# KiCad board MEP-MAXI-85V-1-REV-2-Interface-Board.kicad_pcb (continued)
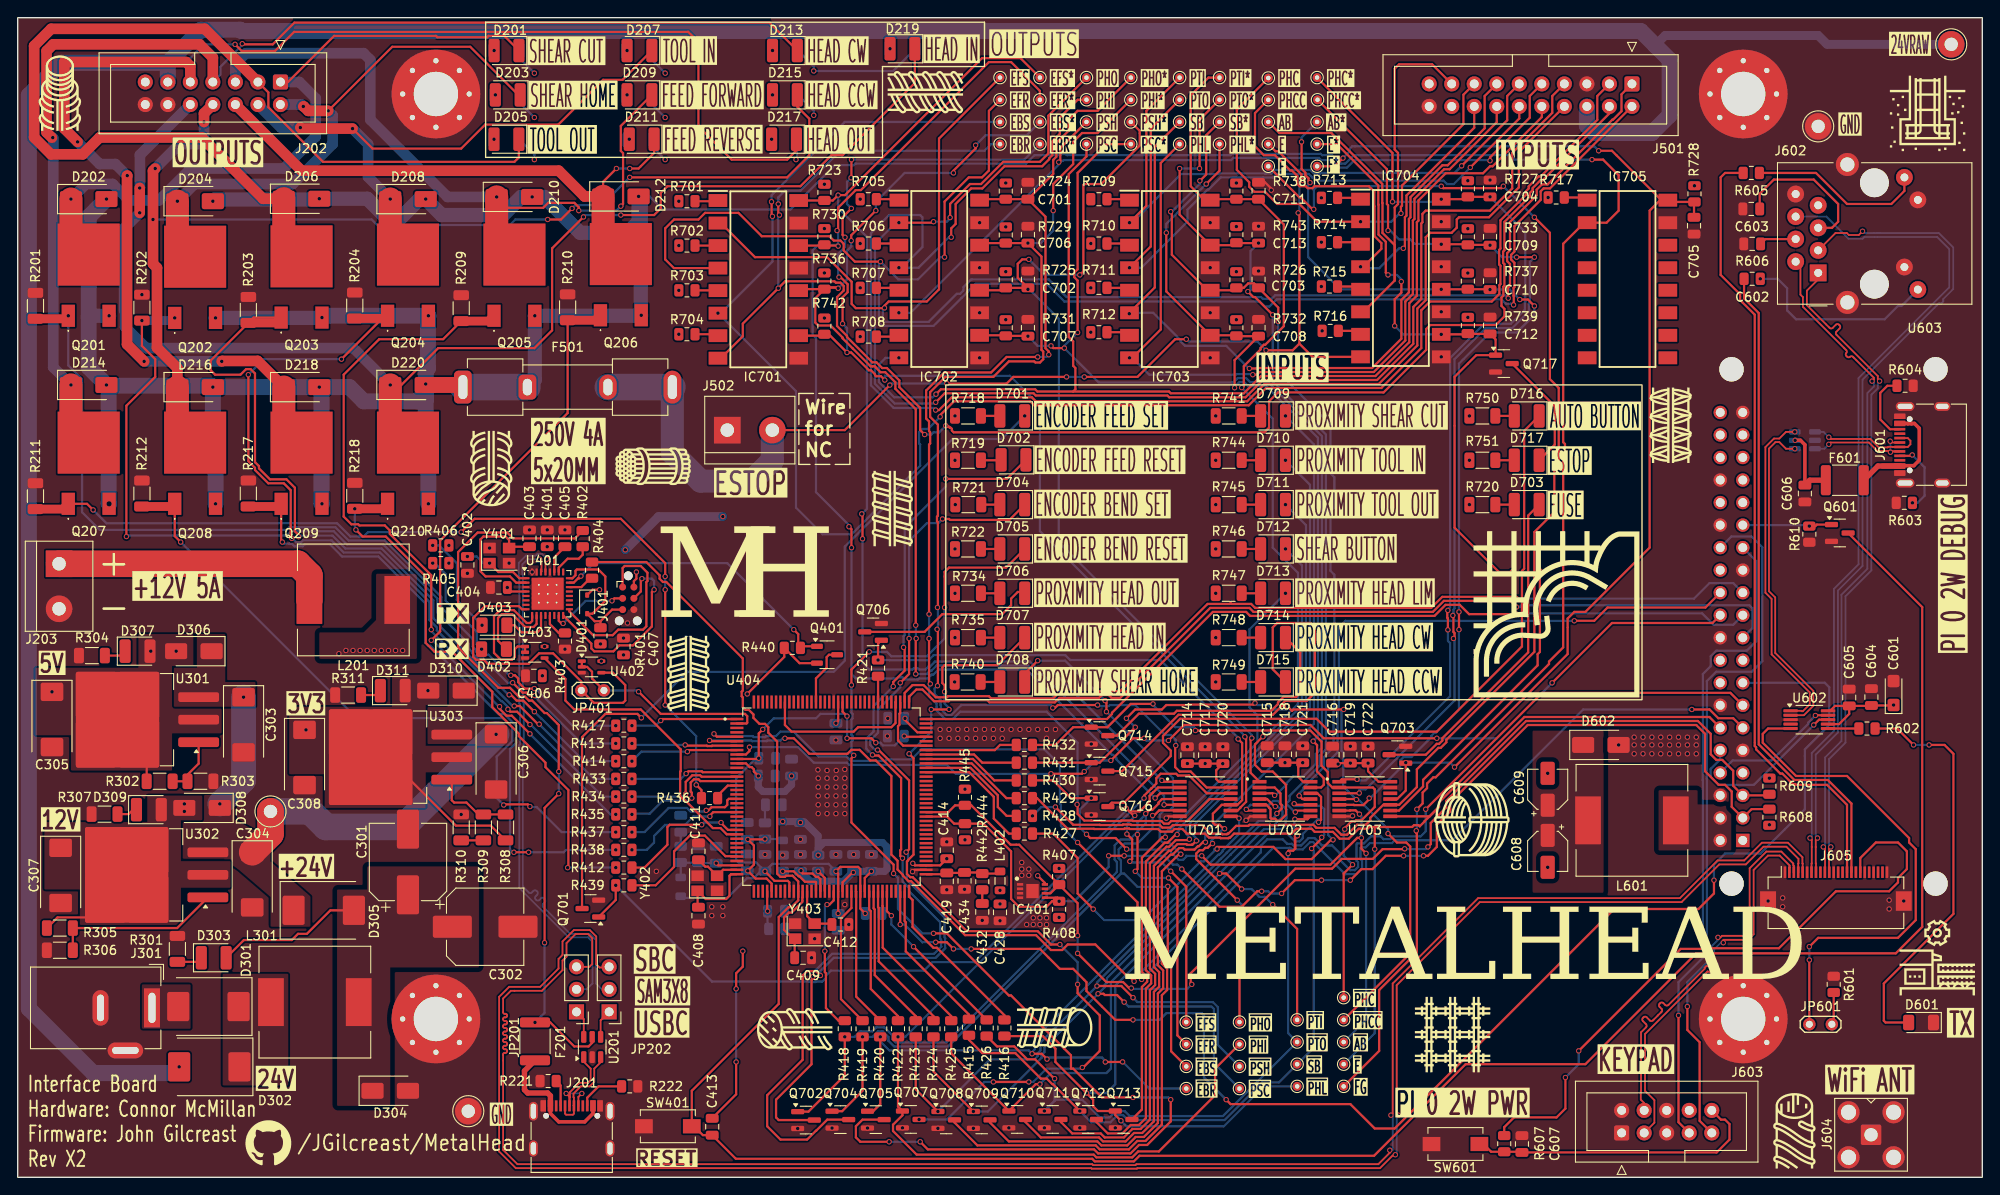
[diagram p0: board, top side]
## Routing (per net, layer and track width the routed paths; a pad name or vN(x,y) marks a point on that pad's centre or on a via; arc(x,y) is an arc through that point) (continued)
  Top w1: R209.2 53.1,96.54 Q205.1
  Bottom w0.25: v1(57.75,51.05) 57.83,51.05 65.96,42.92 v1(67.42,42.92) ; v1(55.27,52.77) 55.27,53.02 54.59,53.7 54.52,53.7 46.62,61.59 v1(46.62,61.75)
/ATMEL SAM3X8/FEED_REVERSE: length 75.5
  Top w0.25: v1(57.75,50) 55.7,52.05 55.1,52.05 54.33,52.83 v1(54.33,53.07) ; R210.2 62,86.17 47.63,71.8 47.63,61.55 v1(46.62,60.55)
  Top w1: R210.2 65.14,96.64 Q206.1
  Bottom w0.25: v1(67.42,40.92) 66.83,40.92 v1(57.75,50) ; v1(54.33,53.07) 54.26,53.07 46.78,60.55 v1(46.62,60.55)
/ATMEL SAM3X8/FWUP: length 2.6
  Top w0.25: U404.53 91,33.75 v1(90.25,34.5)
/ATMEL SAM3X8/HEAD_CCW: length 78.2
  Top w0.25: v1(18.38,71.62) 17.7,72.3 Q208.1 ; v1(57.75,41.8) 57.5,42.05 54.88,42.05 v1(54.8,41.97)
  Top w1: Q208.1 17.4,75.64 R212.2
  Bottom w0.25: v1(18.38,71.62) 38.23,51.77 54.69,51.77 55.76,50.7 55.76,49.19 54,47.43 54,42.78 v1(54.8,41.97) ; v1(57.75,41.8) 57.8,41.75 58.5,41.75 61.33,38.92 v1(67.42,38.92)
/ATMEL SAM3X8/HEAD_CW: length 103.9
  Top w0.25: R436.2 77.09,43.66 v1(76.5,44.25) ; v1(8.5,75.25) 7.81,75.94 Q207.1 ; v1(50,72.75) 51.5,74.25 68,74.25 73,69.25 v1(73,67.75) ; v1(73,53.25) v1(73,66.25)
  Top w1: R211.2 5.1,75.34 Q207.1
  Bottom w0.25: v1(73,53.25) 76.5,49.75 v1(76.5,44.25) ; v1(50,72.75) 39.5,72.75 39,72.25 37.5,72.25 36,73.75 10,73.75 v1(8.5,75.25) ; v1(73,66.25) v1(73,67.75)
/ATMEL SAM3X8/HEAD_IN: length 62.6
  Top w0.25: v1(62,34.91) 62.03,34.91 62.08,34.96 62.08,43.67 59.5,46.25 59.5,46.75 56.5,49.75 56.5,50.02 53.5,53.02 53.5,54.75 49,59.25 47,59.25 46,60.25 46,67.75 41.5,72.25 38.88,72.25 v1(38.13,73)
  Top w1: Q210.1 41.14,75.38 v1(38,75.38)
  Bottom w0.25: v1(38.13,73) 38,73.13 v1(38,75.38) ; v1(67.42,34.92) 62.01,34.92 v1(62,34.91)
/ATMEL SAM3X8/HEAD_OUT: length 72.3
  Top w0.25: Q209.1 29.7,71.76 v1(29.83,71.62) ; v1(57.6,36.65) v1(55.95,36.65)
  Top w1: Q209.1 29.4,75.64 R217.2
  Bottom w0.25: v1(29.83,71.62) 30.01,71.45 30.6,71.45 30.61,71.44 30.61,71.44 30.64,71.41 30.94,71.41 31.21,71.15 32.12,71.15 32.34,71.37 35.2,71.37 36.57,70 40.65,70 45.96,64.69 45.96,60.29 46.32,59.93 46.52,59.93 54.22,52.22 54.88,52.22 56.21,50.89 56.21,49.01 55.5,48.29 55.5,36.95 55.8,36.65 v1(55.95,36.65) ; v1(67.42,36.92) 61.83,36.92 61.56,36.65 v1(57.6,36.65)
/ATMEL SAM3X8/MASTER-RESET: length 283.7
  Top w0.25: Q601.3 214.73,64.3 214.73,28.23 211.75,25.25 189.25,25.25 176.75,12.75 163.25,12.75 152.93,2.43 126.48,2.43 125.84,1.79 121.44,1.79 121.14,2.09 80.96,2.09 C413.2 77.25,4.75 76.25,5.75 SW401.2 76,9.75 85.8,19.55 85.8,29.34 86.91,30.45 87.23,30.45 88,31.22 U404.47 88,33.36 87.36,34 86.64,34 86.51,33.87 85.99,33.87 85.62,34.24 85.62,49.13 84.62,50.12 84.62,50.76 84.26,51.12 83.62,51.12 82.95,51.8 82.95,52.19 82.44,52.7 82.05,52.7 81.75,53 81.75,54.12 81.62,54.24 81.62,54.76 81.75,54.88 81.75,58.5 73.12,67.12 72.74,67.12 72.38,67.49 72.38,67.88 70.88,69.38 64.2,69.38
/ATMEL SAM3X8/MISO: length 99.3
  Top w0.25: v1(168.97,63.5) 163.63,63.5 162.59,64.55 160.99,64.55 159.74,63.3 138.95,63.3 138.5,63.75 134.75,63.75 123.38,52.38 123.38,52.24 122.81,51.67 U404.108
  Bottom w0.25: v1(168.97,63.5) 169.06,63.58 189.92,63.58 191.2,62.3 193.42,62.3 U603.21
/ATMEL SAM3X8/MISO-16U2: length 21.9
  Top w0.25: J401.1 68.2,68.7 68.42,68.92 70.25,68.92 71,68.17 71,67.24 70.87,67.12 70.87,62.12 70.5,61.75 67.7,61.75 67.08,61.12 64.88,61.12 62.2,63.8 U401.17
/ATMEL SAM3X8/MOSI: length 106.4
  Top w0.25: v1(168.97,64.3) 168.28,65 160.8,65 159.55,63.75 139.33,63.75 138.88,64.2 134.45,64.2 124.3,54.05 123.33,54.05 123.01,54.38 122.24,54.38 121.92,54.05 117.44,54.05 116.94,53.55 109.56,53.55 109.31,53.8 105.07,53.8 104.95,53.67 103.33,53.67 102,55 101.31,55 100.5,54.19 U404.109
  Bottom w0.25: v1(168.97,64.3) 169.35,64.3 169.55,64.5 195.25,64.5 195.58,64.17 195.58,61.92 U603.19
/ATMEL SAM3X8/MOSI-16U2: length 22.5
  Top w0.25: U401.16 64.67,60.18 64.67,59.63 65,59.3 67.15,59.3 67.83,59.97 69.36,59.97 71.5,62.11 71.5,66 v1(71.75,66.25) ; J401.4 70.25,66.06 70.25,67.37 v1(70.38,67.5)
  Bottom w0.25: v1(71.75,66.25) 71.75,67.25 71.5,67.5 v1(70.38,67.5)
/ATMEL SAM3X8/RESET-16U2: length 16.1
  Top w0.25: J401.5 67.01,64.01 65.7,62.7 ; 65.7,62.7 65.05,62.7 D401.2 64.8,63.55 66.25,65 66.25,67.75 65.46,68.54 63.04,68.54 62.88,68.38 62.88,67.88 62.55,67.55 U401.24 ; 65.7,62.7 R401.1
/ATMEL SAM3X8/RESET_CMD: length 2.6
  Top w0.25: 64.2,67.55 64.2,67.2 63.55,66.55 U401.22
/ATMEL SAM3X8/RX: length 34.5
  Top w0.25: U403.4 61.75,56.2 61.75,53.75 62.75,52.75 70.25,52.75 74.75,48.25 74.75,45.79 74.69,45.72 74.69,42.96 75.05,42.6 75.15,42.6 78.38,39.37 79.24,39.37 79.94,38.67 U404.27
/ATMEL SAM3X8/RXD1: length 158.9
  Top w0.25: v1(188.75,52.75) 190.75,52.75 191.74,51.76 193.42,51.76 U603.11 ; U404.5 78.83,49.67 v1(78.5,50) ; v1(126.72,22.31) 126.6,22.43 126.55,22.43 126.51,22.47 126.39,22.47 126.25,22.61 126.25,31 v1(119.5,37.75)
  Bottom w0.25: v1(188.75,52.75) 176.5,52.75 161.75,38 155.27,38 154.95,37.67 152.45,37.67 151.97,37.2 151.48,37.2 151.4,37.12 151.4,35.87 151.57,35.7 151.57,34.8 150.95,34.17 149.66,34.17 146.03,37.8 145.73,37.8 144.9,36.98 143.64,36.98 143.47,37.15 141.56,37.15 v1(126.72,22.31) ; v1(78.5,50) 78.75,49.75 82.87,49.75 82.99,49.62 84.26,49.62 84.38,49.75 85.5,49.75 86,50.25 87.5,50.25 90.3,47.45 93.44,47.45 93.94,46.95 97.82,46.95 97.99,47.12 100.76,47.12 101.88,48.25 115.75,48.25 117.5,46.5 117.5,42.13 117.62,42.01 117.62,39.62 v1(119.5,37.75)
/ATMEL SAM3X8/RXD1-16U2: length 37
  Top w0.25: U402.4 67.1,56.9 68.5,55.5 68.5,53.75 68.25,53.5 64.95,53.5 JP401.1 63.55,55.89 60.36,59.08 58.78,59.08 57.6,57.9 52.99,57.9 52.54,58.35 51.68,58.35 51.35,58.68 51.35,63.07 52.68,64.4 56.5,64.4 56.85,64.05 U401.8
/ATMEL SAM3X8/RXD-LED-16U2: length 10.1
  Top w0.25: D402.1 54.15,60.5 54.15,63.07 54.58,63.5 55.75,63.5 57.2,62.05 58.16,62.05 58.5,62.39 U401.10
/ATMEL SAM3X8/SCK-16U2: length 9.1
  Top w0.25: J401.3 67.28,65.28 v1(67,65) ; U401.15 61,62.75 61.3,62.45 v1(61.49,62.45)
  Bottom w0.25: v1(67,65) 64.04,65 v1(61.49,62.45)
/ATMEL SAM3X8/SCL1: length 162.3
  Top w0.25: v1(105.5,25.75) 104.75,26.5 v1(103.5,26.5) ; v1(191.25,33.5) 191.25,32 189.5,30.25 180,30.25 155.25,5.5 153,5.5 150.25,8.25 136.75,8.25 v1(136.25,8.75) ; v1(125.75,17.75) 123.75,17.75 120.5,21 120.5,22 119,23.5 117.5,23.5 115.25,25.75 v1(107.5,25.75) ; U404.70 v1(99.5,28.5)
  Bottom w0.25: U603.15 203.74,55.76 204.25,55.25 204.25,51 201.5,48.25 201.5,41.5 196.5,36.5 192.5,36.5 191.25,35.25 v1(191.25,33.5) ; v1(105.5,25.75) v1(107.5,25.75) ; v1(99.5,28.5) 100,28.5 102,26.5 v1(103.5,26.5) ; v1(125.75,17.75) 128.75,17.75 129.5,18.5 133.5,18.5 133.75,18.25 133.75,11.25 v1(136.25,8.75)
/ATMEL SAM3X8/SDA1: length 121.6
  Top w0.25: v1(82.5,48.5) 82.5,48.06 82.11,47.67 U404.9 ; v1(129.75,49.25) 131.5,51 145.75,51 147.25,49.5 v1(160,49.5) ; v1(120.25,45.75) 120,45.5 v1(116.5,45.5) ; v1(173,55.75) 179.75,62.5 191.08,62.5 U603.22 ; v1(127,49.5) 125.75,49.5 v1(123.25,47)
  Bottom w0.25: v1(82.5,48.5) 88,48.5 89.75,46.75 93.5,46.75 93.75,46.5 104.75,46.5 105.75,45.5 v1(116.5,45.5) ; v1(129.75,49.25) 127.25,49.25 v1(127,49.5) ; v1(123.25,47) 121.5,47 v1(120.25,45.75) ; v1(173,55.75) 166.75,49.5 v1(160,49.5)
/ATMEL SAM3X8/SHEAR_CUT: length 98.6
  Top w0.25: v1(58.25,55.11) 57.15,55.11 56.42,55.83 56.42,56.25 56.07,56.6 v1(55.59,56.6)
  Top w1: R201.2 5.36,96.8 v1(5.7,97.14)
  Bottom w0.25: v1(5.7,97.14) 5.7,91.55 7.25,90 7.25,75 9.25,73 30.34,73 30.64,73.3 35.81,73.3 37.31,71.8 41.4,71.8 47.76,65.44 47.76,64.24 51.3,60.7 51.3,59.81 51.67,59.44 51.67,59.29 52.04,58.92 53.08,58.92 55.45,56.55 55.54,56.55 v1(55.59,56.6) ; v1(58.25,55.11) 58.36,55.11 62.55,50.92 v1(67.42,50.92)
/ATMEL SAM3X8/SHEAR_HOME: length 96.8
  Top w0.25: v1(12.25,72.25) 12.25,87 15.5,90.25 15.5,92.25 14,93.75 v1(14,96.6) ; v1(55.8,55.77) 56.92,54.66 57.38,54.66 57.72,54.31 v1(58.28,54.31)
  Bottom w0.25: v1(12.25,72.25) 12.38,72.38 30.35,72.38 30.83,72.85 35.63,72.85 37.13,71.35 41.21,71.35 47.31,65.25 47.31,63.69 50.85,60.15 50.85,59.63 51.22,59.25 51.22,59.1 51.85,58.47 52.53,58.47 55.23,55.77 v1(55.8,55.77) ; v1(67.42,48.92) 63.58,48.92 58.28,54.22 v1(58.28,54.31)
  Bottom w1: v1(14,96.6) 17.4,96.6 v1(17.7,96.9)
/ATMEL SAM3X8/SPCK: length 103.2
  Top w0.25: U404.110 100,54.61 100.89,55.5 102.14,55.5 103.51,54.12 104.76,54.12 104.88,54.25 109.5,54.25 109.75,54 116.75,54 117.25,54.5 121.73,54.5 122.05,54.83 124.32,54.83 134.15,64.65 136.65,64.65 136.75,64.75 136.85,64.65 139.07,64.65 139.52,64.2 159.36,64.2 160.61,65.45 168.95,65.45 169.15,65.25
  Bottom w0.25: v1(168.97,65.25) 189,65.25 190.75,67 193.42,67 U603.23
/ATMEL SAM3X8/SPI1_CS0: length 114.9
  Top w0.25: v1(175.5,62.75) 177.75,62.75 179.25,64.25 190.29,64.25 U603.24 ; v1(148.3,38.05) 148.06,38.05 145.89,35.88 142.94,35.88 141.57,37.25 135.22,37.25 135.12,37.16 135.12,37.11 v1(135.22,37.01) ; v1(121.26,30.24) 119.5,32 119.5,36 116.75,38.75 R427.2
  Bottom w0.25: v1(148.3,38.05) 147.75,38.6 147.75,46.86 148.8,47.91 148.8,52.69 148.88,52.76 148.88,53.01 148.95,53.08 148.95,62 149.7,62.75 161.52,62.75 161.55,62.73 162.06,62.73 162.09,62.75 v1(175.5,62.75) ; v1(121.26,30.24) 122.5,29 126.75,29 133.38,35.62 133.76,35.62 134.93,36.8 134.93,37 134.97,37 135.11,37.14 135.12,37.13 135.12,37.11 v1(135.22,37.01)
/ATMEL SAM3X8/SS0/PWM10: length 7.9
  Top w0.25: U404.102 99.83,48.67 99.25,49.25 99.25,50.86 99.42,51.03 99.42,52.28 99.5,52.36 U404.111
/ATMEL SAM3X8/SS1/PWM4: length 18.2
  Top w0.25: U404.137 86.5,51 87.25,50.25 94.25,50.25 94.75,50.75 98.5,50.75 98.97,51.22 98.97,53.59 U404.112
/ATMEL SAM3X8/TOOL_IN: length 93.2
  Top w0.25: v1(58.79,51.09) 58.66,51.09 56.61,53.14 v1(55.98,53.14) ; v1(30.9,72.04) 30.9,72.04 30.87,72.07 30.87,72.14 30.78,72.23 30.78,77.47 30,78.25 28.25,78.25 26.75,79.75 26.75,80 26,80.75 v1(26,90.5) ; v1(36.5,92.25) 41.39,97.14 Q204.1
  Top w1: Q204.1 41.4,96.84 R204.2
  Bottom w0.25: v1(58.79,51.09) 64.96,44.92 v1(67.42,44.92) ; v1(26,90.5) 27.75,92.25 v1(36.5,92.25) ; v1(30.9,72.04) 30.93,72.08 31.03,72.08 31.03,71.97 31.39,71.6 31.93,71.6 32.15,71.82 35.39,71.82 36.75,70.45 40.84,70.45 46.41,64.88 46.41,62.85 47.25,62.01 47.25,61.68 55.78,53.14 v1(55.98,53.14)
/ATMEL SAM3X8/TOOL_OUT: length 89.7
  Top w0.25: v1(58.25,52.5) 57,53.75 56.26,53.75 55.61,54.4 v1(55.41,54.4) ; v1(31.67,72.22) 31.67,72.23 31.65,72.25 31.65,72.44 31.25,72.84 31.25,77.75 30.3,78.7 28.44,78.7 27.2,79.94 27.2,80.19 26.75,80.64 26.75,90.63 26.26,91.12 25.74,91.12 25.12,90.5 22.25,90.5 21.75,91 21.75,92.09 26.6,96.94 Q203.1
  Top w1: Q203.1 29.1,96.34 R203.2
  Bottom w0.25: v1(58.25,52.5) 59.03,51.72 59.05,51.72 63.85,46.92 v1(67.42,46.92) ; v1(55.41,54.4) 55.33,54.4 51.71,58.03 51.67,58.03 50.78,58.92 50.78,58.96 47.7,62.03 47.7,62.2 46.86,63.04 46.86,65.06 41.02,70.9 36.94,70.9 35.49,72.35 31.73,72.35
/ATMEL SAM3X8/TST: length 5.3
  Top w0.25: U404.51 90,33.28 89.97,33.31 88.77,33.31 88.14,33.94 88.06,33.94 87.5,34.5 v1(86.25,34.5)
/ATMEL SAM3X8/TX: length 24
  Top w0.25: v1(70,54.75) 72.5,52.25 82,52.25 82.25,52 82.25,51.25 82.17,51.17 U404.2 ; JP401.2 64.75,56.24 64.75,57 64.2,57.55 U402.2 U402.1
  Bottom w0.25: JP401.2 69.85,54.9 v1(70,54.75)
/ATMEL SAM3X8/TXD1: length 160
  Top w0.25: v1(86.5,49.5) 87.5,49.5 89.25,47.75 93.55,47.75 94,48.2 94.92,48.2 96.12,47 96.75,47 98.5,45.25 98.5,36.39 99.2,35.69 99.2,34.7 99.81,34.09 99.81,34.02 100.44,33.39 100.73,33.39 106.81,27.3 114.81,27.3 116.49,25.62 117.76,25.62 118.38,26.25 121.5,26.25 125.26,22.49 125.48,22.49 v1(125.87,22.1) ; v1(158.75,41.5) 171.88,54.62 193.09,54.62 U603.13 ; v1(78,49.25) 78.08,49.17 U404.6
  Bottom w0.25: v1(78,49.25) 82.73,49.25 82.8,49.17 84.45,49.17 84.52,49.25 86,49.25 86.25,49.5 v1(86.5,49.5) ; v1(158.75,41.5) 158.75,39 158.2,38.45 155.08,38.45 154.76,38.12 153.99,38.12 153.66,38.45 152.58,38.45 151.78,37.65 151.04,37.65 150.95,37.56 150.95,35.68 151.12,35.51 151.12,34.99 150.76,34.62 150.24,34.62 149.05,35.82 149.05,36.56 148.19,37.42 147.05,37.42 146.22,38.25 145.54,38.25 144.72,37.43 143.83,37.43 143.65,37.6 143.13,37.6 142.63,38.1 140.87,38.1 140.15,37.38 140.15,36.63 125.87,22.35 v1(125.87,22.1)
/ATMEL SAM3X8/TXD1-16U2: length 15.6
  Top w0.25: U401.9 58,62.73 57.78,62.5 57.39,62.5 55.94,63.95 54.39,63.95 53.7,63.26 53.7,59.13 54.48,58.35 55.72,58.35 56.05,58.68 56.05,59.55 56.35,59.85 U403.1 U403.2
/ATMEL SAM3X8/TXD-LED-16U2: length 5.8
  Top w0.25: U401.11 59,61.85 58.6,61.45 56.8,61.45 56,62.25 D403.1
/ATMEL SAM3X8/UCAP: length 3.3
  Top w0.25: U401.27 60.5,69.9 C405.1
/ATMEL SAM3X8/USB_BOOT_EN: length 3.1
  Top w0.25: U401.13 60,62.38 61,61.38 R403.2
/ATMEL SAM3X8/VBG: length 4.3
  Top w0.25: v1(84.55,30) 84.5,30.05 U404.40
  Bottom w0.25: R409.1 84.55,28.12 v1(84.55,30)
/ATMEL SAM3X8/VUSBVCC: length 84.4
  Top w0.25: v1(61,45.75) 61,51 59.65,52.35 59.4,52.35 58,53.75 57.64,53.75 57.19,54.2 56.49,54.2 55.5,55.19 54.2,55.19 49.65,59.74 49.65,70.5 51.85,72.7 55.19,72.7 55.85,72.04 62.81,72.04 R402.2 ; v1(59.4,26.45) 59.4,41.65 v1(61,43.25) ; v1(58.32,17.46) 60.04,17.46 62.75,14.75 64.36,14.75 64.77,15.16 U201.5
  Bottom w0.25: v1(58.32,17.46) 59.4,18.54 v1(59.4,26.45) ; v1(61,45.75) v1(61,43.25)
/ATMEL SAM3X8/XIN: length 9.2
  Top w0.25: U404.36 80.42,34.17 80.25,34 80.25,31.75 79.88,31.37 77.58,31.37 Y402.1 76.65,30.55 C408.1
/ATMEL SAM3X8/XIN32: length 9.3
  Top w0.25: U404.48 88.5,31.55 88.47,31.52 88.47,31.19 88.45,31.19 88.45,31.04 87.26,29.85 86.95,29.85 86.4,29.3 86.4,27.9 87.4,26.9 Y403.1 87.6,26.85 C409.1
/ATMEL SAM3X8/XOUT: length 5.4
  Top w0.25: C411.1 77.53,35.03 77.83,35.03 Y402.3 79.52,34.67 U404.35
/ATMEL SAM3X8/XOUT32: length 6
  Top w0.25: U404.49 89,29.45 Y403.3 91.7,28.6 C412.1
/ATMEL SAM3X8/XTAL1: length 7.6
  Top w0.25: U401.1 56.55,67.55 55.85,68.25 54.2,68.25 v1(53.2,69.25)
  Bottom w0.25: v1(50.7,70) 51.75,70 52.5,69.25 v1(53.2,69.25)
/ATMEL SAM3X8/XTAL2: length 16.9
  Top w0.25: C403.1 55.55,71.1 Y401.3 55.4,71.85 55,72.25 52.5,72.25 52.17,71.92 52.17,68.32 52.75,67.75 55.5,67.75 56.2,67.05 U401.2 56.45,67.05
/Output Connections/2D+: length 12.3
  Top w0.2: v1(63.6,9.45) 63.21,9.06 J201.B6 ; U201.1 63.82,13.03 64.6,12.25 64.6,10.94 64.31,10.65 63.32,10.65 62.26,9.59 62.26,9.03 62.21,8.98 J201.A6 62.21,9.08 v1(61.84,9.45)
  Bottom w0.2: v1(61.84,9.45) v1(63.6,9.45)
/Output Connections/2D-: length 10.3
  Top w0.2: U201.3 65.72,12.97 65,12.25 65,10.77 64.48,10.25 63.48,10.25 62.66,9.43 62.66,9.03 62.71,8.98 J201.A7 ; J201.A7 62.71,7.17 62.59,7.05 61.83,7.05 61.71,7.17 J201.B7 ; J201.A7 62.66,8.1
/Output Connections/FUSED_GND: length 485.2
  Top w0.25: v1(157.75,41.5) 158.4,42.15 158.4,43.38 158.9,43.88 158.9,44.4 159.6,45.1 159.87,45.1 172.65,57.88 172.65,58.15 174.25,59.75 174.25,81.11 174.45,81.31 174.45,82.69 174.25,82.89 174.25,105.27 176.62,107.64 IC705.2 179.14,107.64 180.5,109 180.5,113 178.75,114.75 v1(177.5,114.75) ; TP705.1 153.5,14.25 153.5,21.11 157.75,25.36 157.75,38.75 157.68,38.82 v1(157.68,39.08)
  Top w1.6: 49.95,89.34 F501.1
  Top w1.8: 49.95,89.34 D220.2
  Bottom w0.25: v1(70,110.6) 71.25,110.6 72.72,109.12 87.12,109.12 92.12,114.12 94.26,114.12 94.43,114.3 113.69,114.3 114.64,115.25 117.55,115.25 117.66,115.36 118.18,115.36 118.29,115.25 136.73,115.25 136.88,115.4 146.9,115.4 147.05,115.25 148.21,115.25 149.16,114.3 149.68,114.3 150.63,115.25 168.25,115.25 168.75,114.75 v1(177.5,114.75) ; v1(157.75,41.5) 157.75,39.14 v1(157.68,39.08)
  Bottom w1.6: F501.1 58.3,89.94 v1(58.3,97.14) 69.64,97.14 ; v1(22,110.06) 22.19,110.25 33.91,110.25 v1(34,110.34) 39.41,110.34 41.5,108.25 43.25,108.25 45.3,110.3 v1(46,110.3) 47.8,108.5 54.71,108.5 56.75,110.54 v1(58,110.54) 59.37,110.54 63.41,106.5 68.75,106.5 70,107.75 v1(70,110.6) 70.25,110.35 70.25,97.25 v1(70.3,97.2) ; v1(10.3,97.14) 8.14,97.14 8,97 ; v1(34.3,96.94) 34.26,96.9 v1(22.3,96.9)
  Bottom w1.8: v1(34.3,96.94) 34.5,97.14 v1(46.3,97.14) 46.25,97.09 46.25,91.23 46,90.98 v1(46,89.45) 46,87.65 ; 46,87.65 D220.2 46,80 46.3,79.7 v1(46.3,75.94) ; 46,87.65 45.97,87.68 45.18,87.68 45,87.5 39,87.5 37.4,89.1 v1(34,89.1) ; v1(22,89.1) 21.85,89.25 10.09,89.25 v1(10,89.34) ; v1(22,89.1) v1(34,89.1) ; v1(22,89.1) 22,82.75 22.3,82.45 v1(22.3,75.94) ; v1(10,89.34) 10.25,89.09 10.25,75.99 v2(10.3,75.94) ; v1(10,89.34) 8,91.34 8,108.3 v1(10,110.3) ; v1(34.3,75.94) 34.25,75.99 34.25,88.85 v1(34,89.1)
  Bottom w3: F501.1 F501.1
/Output Connections/SBC-USB2-D+: length 216.4
  Top w0.2: v1(154.82,7) 155.02,7.2 155.02,21.84 164.66,31.47 187.41,31.47 191.66,35.72 194.66,35.72 196.66,37.72 199.59,37.72 201.22,36.09 201.22,35.4 201.25,35.38 J605.5 ; v1(154.7,3.05) 154.7,2.77 153.41,1.47 126.13,1.47 126.02,1.37 121.26,1.37 121.15,1.47 56.34,1.47 54.72,3.09 54.72,13.87 arc(54.77,13.99) 54.89,14.03 55.02,14.03 arc(55.13,14.08) 55.17,14.19 55.17,14.27 arc(55.13,14.39) 55.02,14.43 54.89,14.43 arc(54.77,14.48) 54.72,14.59 54.72,14.67 arc(54.77,14.79) 54.89,14.83 55.02,14.83 arc(55.13,14.88) 55.17,14.99 55.17,15.07 arc(55.13,15.19) 55.02,15.23 54.89,15.23 arc(54.77,15.28) 54.72,15.39 54.72,15.47 arc(54.77,15.59) 54.89,15.63 55.02,15.63 arc(55.13,15.68) 55.17,15.79 55.17,15.87 arc(55.13,15.99) 55.02,16.03 54.89,16.03 arc(54.77,16.08) 54.72,16.19 54.72,16.27 arc(54.77,16.39) 54.89,16.43 55.02,16.43 arc(55.13,16.48) 55.17,16.59 55.17,16.67 arc(55.13,16.79) 55.02,16.83 54.89,16.83 arc(54.77,16.88) 54.72,16.99 54.72,17.07 arc(54.77,17.19) 54.89,17.23 55.02,17.23 arc(55.13,17.28) 55.17,17.39 55.17,17.47 arc(55.13,17.59) 55.02,17.63 54.89,17.63 arc(54.77,17.68) 54.72,17.79 54.72,17.87 arc(54.77,17.99) 54.89,18.03 55.02,18.03 arc(55.13,18.08) 55.17,18.19 55.17,18.27 arc(55.13,18.39) 55.02,18.43 54.89,18.43 arc(54.77,18.48) 54.72,18.59 54.72,20.16 55.59,21.03 59.09,21.02 61.42,23.36 61.42,24.44 61.88,24.89 61.88,26.41 62.89,27.42 64.31,27.42 64.78,26.96 64.78,24.05 64.45,23.73 JP201.3
  Bottom w0.2: v1(154.82,7) 155.02,6.8 155.02,3.09 154.98,3.05 154.73,3.05 154.72,3.06
/Output Connections/SBC-USB2-D-: length 213.6
  Top w0.2: 155.3,2.45 155.02,2.45 153.59,1.03 126.24,1.03 126.19,0.97 121.09,0.97 121.04,1.03 56.16,1.03 54.28,2.91 54.28,20.34 55.41,21.47 58.91,21.48 60.97,23.54 60.97,24.62 61.43,25.07 61.43,26.59 62.71,27.88 64.49,27.88 65.22,27.14 65.22,24.03 65.6,23.65 66.6,23.65 ; v1(155.68,7) 155.48,7.2 155.48,21.66 164.84,31.03 187.59,31.03 191.84,35.28 194.84,35.28 196.84,37.28 199.41,37.28 200.78,35.91 200.78,35.4 200.75,35.38 J605.4
  Bottom w0.2: v1(155.68,7) 155.48,6.8 155.48,2.69 v1(155.32,2.54)
/Output Connections/SOL_FEED_FORWARD: length 79.7
  Top w0.25: v1(63.26,109) 63.26,109.37 62.76,109.88 59.8,109.88 59.25,109.32 55.23,109.32 v1(54,110.54) ; D209.1 68,118.55 68,115.73 68.25,115.48 68.25,109.75 v1(68,109.5)
  Top w2.6: v1(54,110.54) 54,106.04 Q205.2
  Bottom w0.25: v1(63.26,109) 63.26,109 67.5,109 v1(68,109.5)
  Bottom w1.2: J202.5 24.54,125.54 25.75,126.75 39,126.75 39.75,126 39.75,119.25 48.46,110.54 v1(54,110.54)
/Output Connections/SOL_FEED_REVERSE: length 63.4
  Top w0.25: v1(67.5,113.75) 66,112.25 D212.1 ; D211.1 71.75,115.5 70,113.75 v1(69,113.75)
  Top w1.2: J202.6 32,113.5 61,113.5 63.9,110.6 D212.1
  Top w2.6: D212.1 66,106.1 Q206.2
  Bottom w0.25: v1(69,113.75) v1(67.5,113.75)
/Output Connections/SOL_HEAD_CCW: length 130.2
  Top w0.25: v1(59.75,108) 61.25,108 v1(62.5,109.25) ; v1(69,112.75) 86.75,112.75 89.25,115.25 89.25,119.37 87.9,120.72 D215.1 87.73,122.05
  Top w1.2: J202.8 21,119.96 v1(21,119) ; v1(15.5,113.75) 15.25,113.5 15.25,103 15.7,102.55 15.7,93.55 18,91.25 D216.1
  Top w2.6: D216.1 18,84.84 Q208.2
  Bottom w0.25: v1(59.75,108) 56.09,108 55.47,107.38 43.97,107.38 43.22,106.62 41.28,106.62 39.91,108 v1(15.25,108) ; v1(69,112.75) 65.88,109.62 62.88,109.62 v1(62.5,109.25)
  Bottom w1.2: v1(15.5,113.75) 18.25,116.5 21,116.5 v1(21,119)
/Output Connections/SOL_HEAD_CW: length 139.1
  Top w0.25: v1(25.32,127.82) 25.38,127.75 28.75,127.75 31.2,130.2 84.75,130.2 D213.1
  Top w1.2: J202.7 22,126.25 20.5,127.75 4,127.75 3.25,127 3.25,117.83 3.85,117.23
  Top w2.6: Q207.2 6,84.84 v1(6,89.34)
  Bottom w0.25: v1(25.32,127.82) 25.32,127.68 22.85,125.21 22.85,124.35 J202.7
  Bottom w1.2: v1(6,89.34) 4,91.34 4,117.18 v1(3.95,117.23)
/Output Connections/SOL_HEAD_IN: length 151.7
  Top w0.25: D219.1 101.15,123.4 93,115.25 91.75,115.25 88.25,111.75 73.25,111.75 72.5,111 72.5,109.25 71.75,108.5 v1(68,108.5) ; v1(63.79,108.29) 60.25,104.75 60.25,95.5 58.25,93.5 47.41,93.5 43.25,89.34 v1(42,89.34)
  Top w1.2: v1(13.75,108.75) v1(13.75,111.55)
  Top w2.6: v1(42,89.34) 42,84.84 Q210.2
  Bottom w0.25: v1(68,108.5) 64,108.5 v1(63.79,108.29)
  Bottom w1.2: J202.10 13.78,115.28 13.78,111.58 v1(13.75,111.55) ; v1(13.75,108.75) 12,107 12,97.76 12.1,97.66 12.1,95.9 14.5,93.5 37.84,93.5 v1(42,89.34)
/Output Connections/SOL_HEAD_OUT: length 165
  Top w0.25: v1(24.5,127.75) 25.25,127 29,127 31.15,129.15 75.6,129.15 76.75,128 76.75,118.5 80.5,114.75 86.75,114.75 87.8,115.8 D217.1
  Top w1.2: v1(6.75,116.75) 5.25,118.25 5.25,125.75 19,125.75 19.46,125.29 J202.9 ; v1(23,92) 23.05,92.05 27.05,92.05 D218.1 ; v1(12.35,112.95) 12.32,112.92 12.32,93.93 v1(14.25,92)
  Top w2.6: D218.1 30,84.84 Q209.2
  Bottom w0.25: v1(24.5,127.75) 21,127.75 19.46,126.21 J202.9
  Bottom w1.2: v1(14.25,92) v1(23,92) ; 12.38,112.88 11,114.25 9.25,114.25 v1(6.75,116.75)
/Output Connections/SOL_SHEER_CUT: length 78.2
  Top w0.25: J202.1 30.47,123.5 35.67,128.7 47.16,128.7 47.31,128.55 52.94,128.55 53.09,128.7 54.86,128.7 D201.1
  Top w1.4: Q201.2 7.71,104.04
  Top w2.6: v1(6,110.3) 6,105.75 7.71,104.04
  Bottom w1.2: J202.1 31.75,123.5 33.6,121.65 33.6,117.35 30,113.75 19.52,113.75 15.92,110.15 12.56,110.15 10.7,112 7.7,112 v1(6,110.3)
/Output Connections/SOL_SHEER_HOME: length 63.8
  Top w0.25: D203.1 56.44,122.05 51.02,127.48 42.23,127.48 v1(35,120.25)
  Top w1.2: v1(32.2,120.75) 32.25,120.75 32.75,120.25 v1(35,120.25)
  Top w2.6: v1(18,110.06) 18,105.8 Q202.2
  Bottom w1.2: v1(32.2,120.75) 31.98,120.96 J202.2 ; v1(18,110.06) 19.94,112 31,112 35.5,116.5 35.5,119.75 v1(35,120.25)
/Output Connections/SOL_TOOL_IN: length 67.8
  Top w0.25: D207.1 68.2,123.75 66,123.75 60.95,118.7 52.7,118.7 50,116 40,116 v1(37.75,118.25)
  Top w1.2: v1(31.86,118.36) 31.98,118.25 v1(37.75,118.25)
  Top w2.6: v1(42,110.3) 42,106.04 Q204.2
  Bottom w1.2: v1(37.75,118.25) 39.5,116.5 39.5,112.8 v1(42,110.3) ; v1(31.86,118.36) 29.68,118.36 J202.4
/Output Connections/SOL_TOOL_OUT: length 115.1
  Top w0.25: J202.3 28.26,122.33 28.26,120.66 34.42,114.5 56,114.5 56.5,115 D205.1
  Top w1.2: J202.3 21.08,129.5 3.77,129.5 1.85,127.58 1.85,117.25 3.75,115.35 7.33,115.35 9.23,117.25 20.75,117.25 27.66,110.34 D206.1
  Top w2.6: D206.1 30,105.84 Q203.2
/Output Connections/USBC-D+: length 3.2
  Top w0.2: JP201.1 63.82,17.83 U201.6
/Output Connections/USBC-D-: length 3.2
  Top w0.2: U201.4 65.72,17.69 JP202.1
/Output Connections/VUSB: length 15.5
  Top w0.4: J201.A9 64.86,7.18 63.93,6.25 61,6.25 60.06,7.19 J201.A4
  Top w0.6: F201.1 57.13,12 57.13,9.87 57.5,9.5 59.75,9.5 60.06,9.19 J201.A4
/Pi Zero 2W SBC/2D+: length 13.4
  Top w0.2: J601.B6 213.1,83.35 213.4,83.05 213.4,82.65 213.1,82.35 J601.A6 211.41,82.35 211.4,82.36 210.9,82.36 210.84,82.3 209.83,82.3 208.88,83.25 204.4,83.25 v1(204.2,83.45)
  Bottom w0.2: U601.1 203.6,84.05 v1(204.2,83.45)
/Pi Zero 2W SBC/2D-: length 13.6
  Top w0.2: J601.A7 211.27,82.85 211.22,82.8 ; v1(211.15,81.76) 211.24,81.85 J601.B7 211.27,81.85 211.22,81.9 209.67,81.9 208.72,82.85 204.4,82.85 v1(204.2,82.65)
  Bottom w0.2: U601.3 203.7,82.15 v1(204.2,82.65) ; v1(211.15,81.76) 211.15,82.97 v1(211.12,83)
/Pi Zero 2W SBC/D+: length 37.6
  Top w0.2: v1(200.36,84.05) 199.37,84.05 198.62,83.3 198.02,83.3 197.05,82.33 197.05,65.92 197.75,65.21 197.75,58.96 202.05,54.67 202.05,53.33 201.27,52.55 201.15,52.55 201.11,52.6 U602.1
/Pi Zero 2W SBC/D-: length 37.6
  Top w0.2: U602.2 201.39,52.1 202.45,53.17 202.45,54.83 198.16,59.13 198.16,65.38 197.45,66.08 197.45,82.17 198.18,82.9 198.62,82.9 199.37,82.15 v1(200.36,82.15)
/Pi Zero 2W SBC/EPHY-RXN: length 95.9
  Top w0.2: J605.7 202.25,35.38 202.28,35.4 202.27,38.05 v1(202.07,38.25)
  Bottom w0.2: v1(202.07,38.25) 202.27,38.45 202.27,47.84 204.78,50.34 204.78,66.34 207.55,69.12 207.55,90.12 217.78,100.34 217.78,104.66 216.41,106.02 208.2,106.02 208,105.83 206.43,105.83 203.92,108.33 J602.R6
/Pi Zero 2W SBC/EPHY-RXP: length 94.3
  Top w0.2: v1(202.93,38.25) 202.73,38.05 202.72,35.4 202.75,35.38 J605.8 ; v1(208,106.67) 207.57,106.25 206.45,106.25 206.22,106.47 204.96,106.47 J602.R3
  Bottom w0.2: v1(208,106.67) 208.2,106.48 216.59,106.48 218.22,104.84 218.22,100.16 217.1,99.03 arc(217.07,98.96) 217.1,98.89 arc(217.13,98.82) 217.1,98.75 216.89,98.54 arc(216.82,98.51) 216.75,98.54 arc(216.68,98.57) 216.61,98.54 216.1,98.03 208,89.93 208,68.93 205.22,66.16 205.22,50.16 202.73,47.66 202.73,38.45 v1(202.93,38.25)
/Pi Zero 2W SBC/EPHY-TXN: length 75.6
  Top w0.2: J605.10 203.77,34.42 203.77,37.05 v1(203.57,37.25) ; v1(209.07,89.78) 209.27,89.97 209.27,90.16 206.91,92.52 arc(206.75,92.59) 206.59,92.52 arc(206.43,92.45) 206.28,92.52 206.17,92.63 arc(206.1,92.79) 206.17,92.94 arc(206.24,93.1) 206.17,93.26 201.28,98.16 201.28,99.25 201,99.53 201,102.71 J602.R2
  Bottom w0.2: v1(203.57,37.25) 203.77,37.45 203.77,47.34 205.62,49.19 205.62,65.69 208.55,68.62 208.55,88.44 209.27,89.16 209.27,89.58 v1(209.07,89.78)
